# Altium PCB EE209_Prototype.PcbDoc
Units mm, origin at the board's own origin, x right, y up, seen from the top; angles counter-clockwise.
Board outline 81.53 x 76.45 mm, 2 copper layers (Top Layer, Bottom Layer); 52 components, 37 nets, 182 pads, 12 vias.
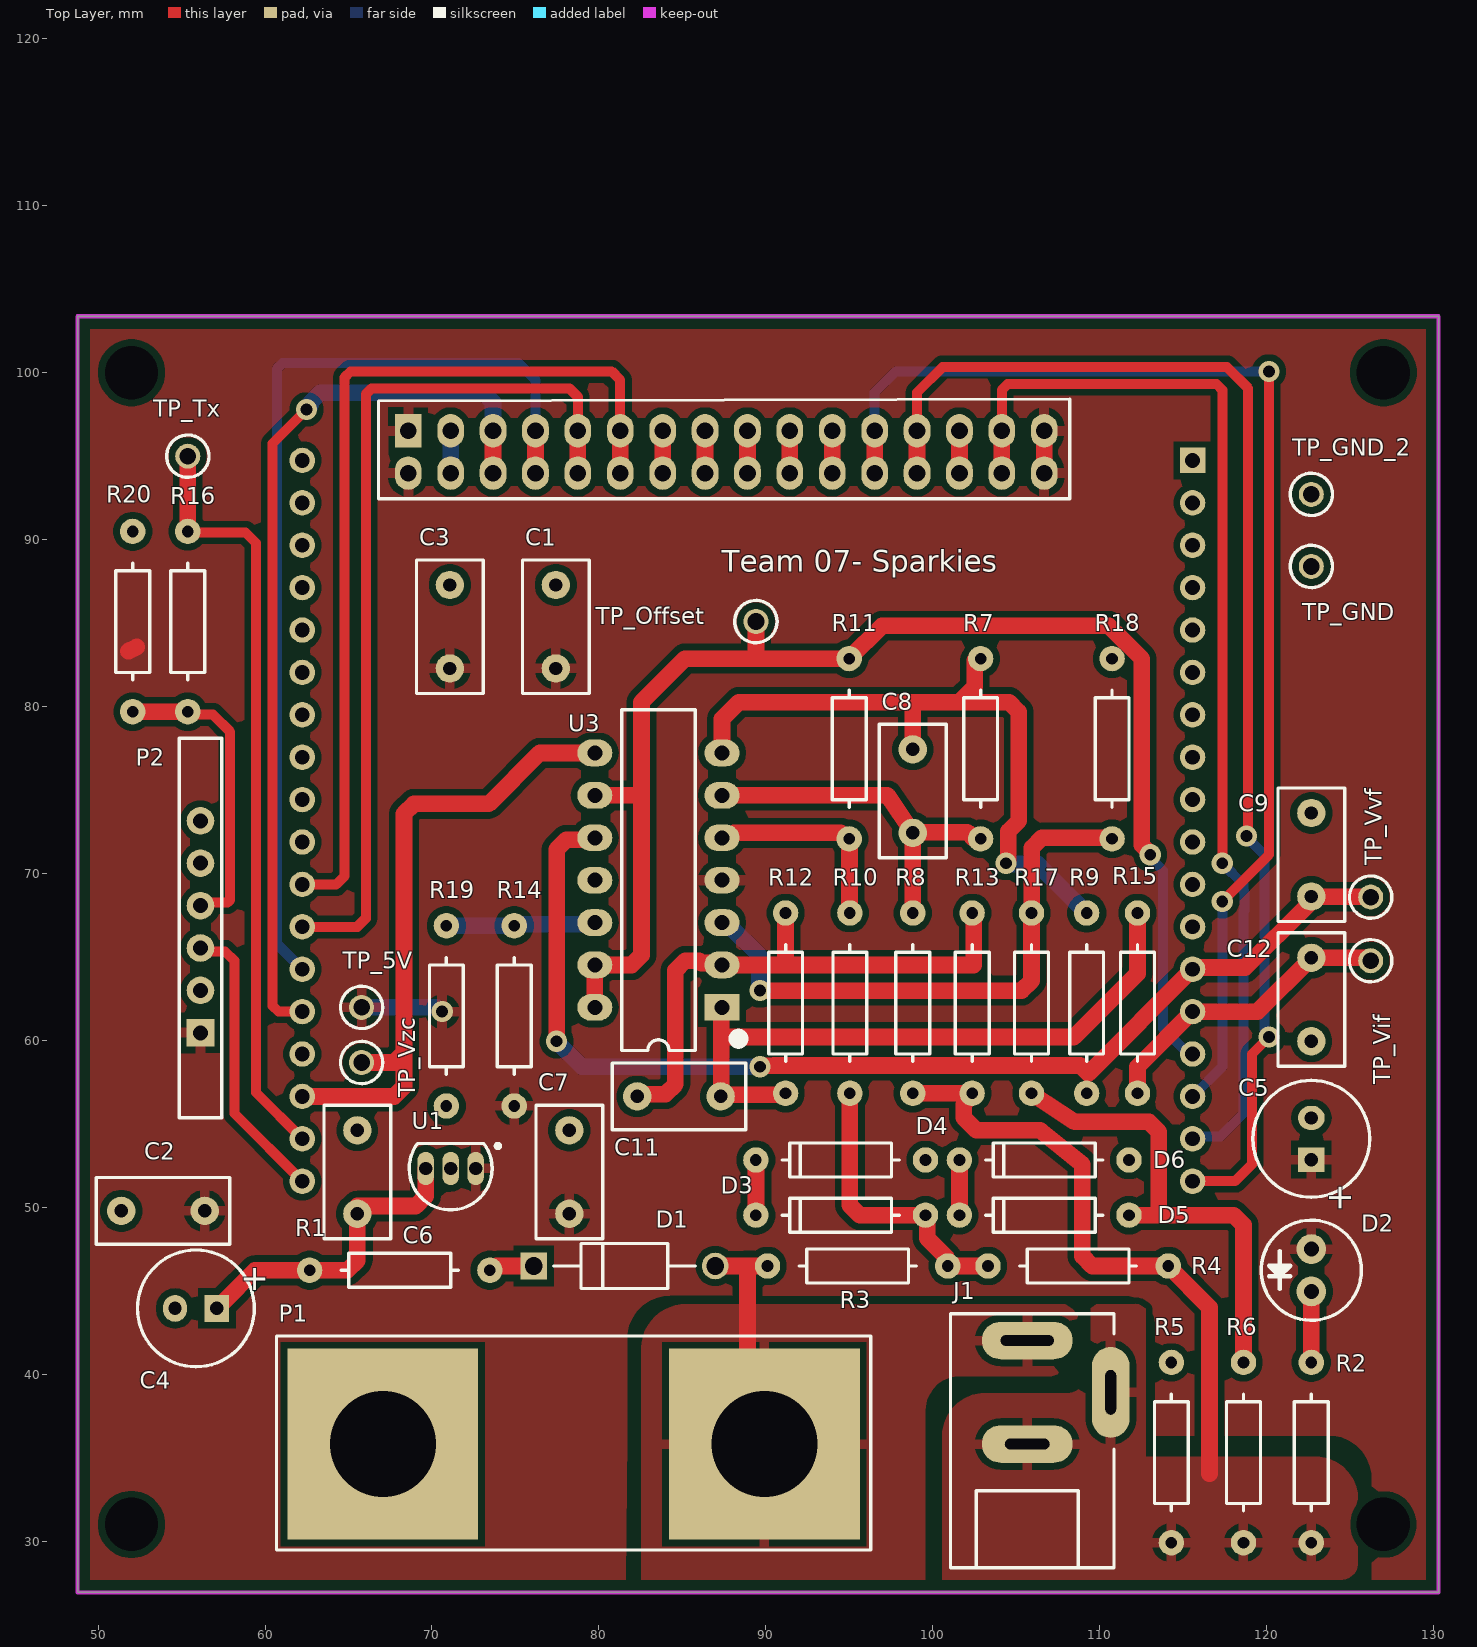
[diagram p0: Top Layer view]
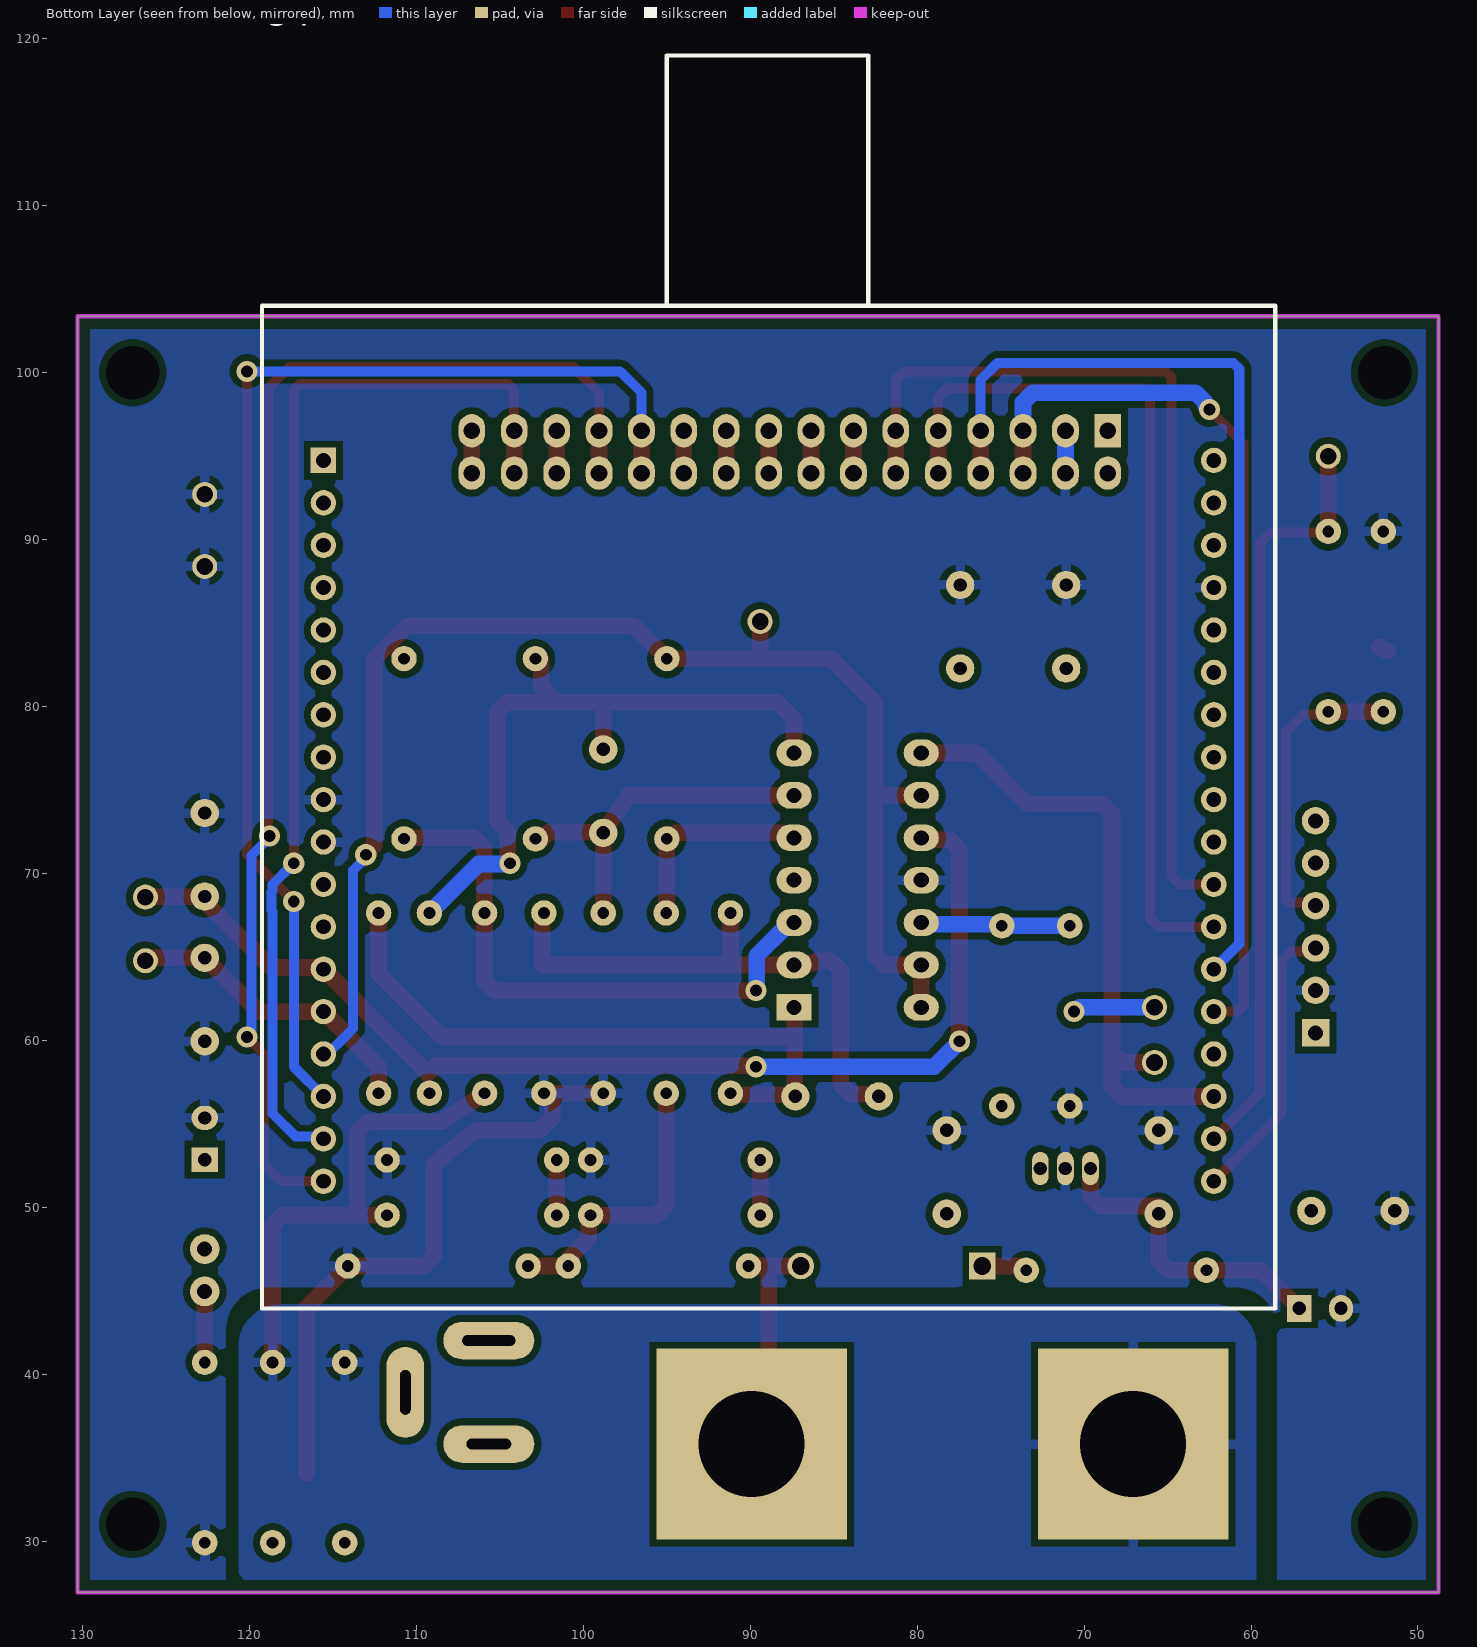
[diagram p1: Bottom Layer view, seen from below]

## Layer stack, top to bottom
Top Solder: solder mask 0.0102, Solder Resist, Dk 3.5
Top Layer: signal copper 0.0356
Dielectric 1: dielectric 0.32, FR-4, Dk 4.8
Bottom Layer: signal copper 0.0356
Bottom Solder: solder mask 0.0102, Solder Resist, Dk 3.5

## Board outline
48.768,26.924 48.768,103.378 130.302,103.378 130.302,26.924

## Design rules (kind name [scope] priority, off if disabled: settings)
Clearance [All] p1: gap=0.4 ignorepadtopadclearanceinfootprint=FALSE
Height [All] p1: minheight=0 maxheight=100 prefheight=1
HoleSize [All] p1: absolutevalues=TRUE maxlimit=10 minlimit=0.4 maxpercent=80.000 minpercent=20.000
PolygonConnect [All] p1: connectstyle=Relief reliefconductorwidth=0.6 reliefentries=4 polygonreliefangle="90 Angle" airgapwidth=0.4
RoutingVias [All] p1: holewidth=0.711 width=1.27 viastyle="Through Hole" minholewidth=0.711 minwidth=1.27 maxholewidth=0.711 maxwidth=1.27
SilkToSilkClearance [All] p1: silktosilkclearance=0.1
SilkToSolderMaskClearance [IsPad] p1: minsilkscreentomaskgap=0.1 clearancetoexposedcopper=TRUE
SolderMaskExpansion [All] p1: expansion=0.102 istentingtop=FALSE
SupplyNets "Schematic Supply Nets_30" [InNet('Vrect')] p1: voltage=0.000
SupplyNets "Schematic Supply Nets_9" [InNet('Vzc')] p2: voltage=0.000
SupplyNets "Schematic Supply Nets_3" [InNet('Vin')] p3: voltage=0.000
SupplyNets "Schematic Supply Nets_29" [InNet('SRCLR')] p4: voltage=0.000
SupplyNets "Schematic Supply Nets_28" [InNet('SH_DS')] p5: voltage=0.000
SupplyNets "Schematic Supply Nets_27" [InNet('OE')] p6: voltage=0.000
SupplyNets "Schematic Supply Nets_26" [InNet('DS1')] p7: voltage=0.000
SupplyNets "Schematic Supply Nets_25" [InNet('LED1')] p8: voltage=0.000
SupplyNets "Schematic Supply Nets_24" [InNet('SH_ST')] p9: voltage=0.000
SupplyNets "Schematic Supply Nets_23" [InNet('RX')] p10: voltage=0.000
SupplyNets "Schematic Supply Nets_22" [InNet('SH_CP')] p11: voltage=0.000
SupplyNets "Schematic Supply Nets_21" [InNet('DS2')] p12: voltage=0.000
SupplyNets "Schematic Supply Nets_20" [InNet('LED4')] p13: voltage=0.000
SupplyNets "Schematic Supply Nets_19" [InNet('LED3')] p14: voltage=0.000
SupplyNets "Schematic Supply Nets_18" [InNet('TX')] p15: voltage=0.000
SupplyNets "Schematic Supply Nets_17" [InNet('LED2')] p16: voltage=0.000
SupplyNets "Schematic Supply Nets_16" [InNet('DS4')] p17: voltage=0.000
SupplyNets "Schematic Supply Nets_15" [InNet('DS3')] p18: voltage=0.000
SupplyNets "Schematic Supply Nets_13" [InNet('Vsensp')] p19: voltage=0.000
SupplyNets "Schematic Supply Nets_11" [InNet('GND')] p20: voltage=0.000
SupplyNets "Schematic Supply Nets_10" [InNet('Offset')] p21: voltage=0.000
SupplyNets "Schematic Supply Nets_7" [InNet('Imeas')] p22: voltage=0.000
SupplyNets "Schematic Supply Nets_5" [InNet('Vmeas')] p23: voltage=0.000
SupplyNets "Schematic Supply Nets_1" [InNet('Isensp')] p24: voltage=0.000
SupplyNets "Schematic Supply Nets" [InNet('5V')] p25: voltage=0.000
Width [All] p1: maxlimit=10 minlimit=0.4 preferedwidth=0.4
26 further rules are at their usual default settings.

## Classes and differential pairs
component class EE209_Schematic: C1 C2 C3 C4 C5 C6 C7 C8 C9 C11 C12 D1 D2 D3 D4 D5 D6 J1 P1 P2 R1 R2 R3 R4 R5 R6 R7 R8 R9 R10 R11 R12 R13 R14 R15 R16 R17 R18 R19 R20

## Components (designator, comment, footprint, x,y, rotation, side; value= is the part's Value field where it differs from the comment)
C1 "100n" CCAP-5P0 77.424,84.78 r90 top
C2 "100n" CCAP-5P0 53.888,49.784 r180 top
C3 "100n" CCAP-5P0 71.074,84.78 r90 top
C4 "100µ" "CAP-RAD-2.5mm Pitch" 55.86,43.942 r180 top
C5 "*100µ" "CAP-RAD-2.5mm Pitch" 122.682,54.102 r90 top
C6 "47µ" CCAP-5P0 65.532,52.11 r90 top
C7 "*10µ" CCAP-5P0 78.232,52.11 r90 top
C8 "*" CCAP-5P0 98.806,74.93 r270 top
C9 "10n" CCAP-5P0 122.682,71.12 r90 top
C11 "*" CCAP-5P0 84.796,56.642 r180 top
C12 "10n" CCAP-5P0 122.682,62.444 r270 top
D1 "1N4007" 1N4007-MFG 81.534,46.482 r0 top
D2 "Green" LED 122.682,46.228 r270 top
D3 "BZX79-CXVX" AXIAL-Zener-0.4 94.488,49.53 r180 top
D4 "BZX79-CXVX" AXIAL-Zener-0.4 94.488,52.832 r180 top
D5 "BZX79-CXVX" AXIAL-Zener-0.4 106.68,49.53 r180 top
D6 "BZX79-CXVX" AXIAL-Zener-0.4 106.68,52.832 r180 top
J1 "DC barrel jack" AC-Socket 105.664,36.014 r90 top value=socket
P1 "Dual Banana Plugs" "Dual Banana Plug" 78.486,35.814 r180 top
P2 "BLE Module Header" HM10_HDR1X6 56.134,60.452 r90 top
R1 "33" AXIAL-0.4 68.072,46.228 r180 top
R2 "150" AXIAL-0.4 122.682,35.306 r90 top
R3 "470k" AXIAL-0.4 95.504,46.482 r180 top
R4 "22k" AXIAL-0.4 108.712,46.482 r180 top
R5 "1" AXIAL-0.4 114.3,35.306 r90 top
R6 "1" AXIAL-0.4 118.618,35.306 r90 top
R7 "100k" AXIAL-0.4 102.87,77.47 r270 top
R8 "100k" AXIAL-0.4 98.806,62.23 r90 top
R9 "1.5k" AXIAL-0.4 109.22,62.23 r270 top
R10 "79k" AXIAL-0.4 95.038,62.23 r90 top
R11 "100k" AXIAL-0.4 94.996,77.47 r270 top
R12 "47k" AXIAL-0.4 91.186,62.23 r270 top
R13 "20k" AXIAL-0.4 102.362,62.23 r90 top
R14 "470k" AXIAL-0.4 74.93,61.468 r270 top
R15 "1.5k" AXIAL-0.4 112.268,62.23 r90 top
R16 "42" AXIAL-0.4 55.372,85.09 r270 top
R17 "20k" AXIAL-0.4 105.918,62.23 r90 top
R18 "47k" AXIAL-0.4 110.744,77.47 r270 top
R19 "340k" AXIAL-0.4 70.866,61.468 r90 top
R20 "22" AXIAL-0.4 52.07,85.09 r270 top
TP_5V "5003" TP_TH 65.786,61.976 r90 top
TP_GND "5003" TP_TH 122.682,88.392 r90 top
TP_GND_2 "5003" TP_TH 122.682,92.71 r90 top
TP_Offset "5003" TP_TH 89.408,85.09 r90 top
TP_Tx "5003" TP_TH 55.372,94.996 r90 top
TP_Vif "5003" TP_TH 126.238,64.77 r90 top
TP_Vvf "5003" TP_TH 126.238,68.58 r90 top
TP_Vzc "5003" TP_TH 65.786,58.674 r90 top
U1 "L78L05ACZ" TO-92 71.12,52.324 r90 top
U3 "LM324" DIP-14 83.566,69.596 r180 top
U4 "ATmega328PB Xplained Mini Header" "ATmeg328P Xplained" 88.9,73.152 r180 bottom locked
? "Display" Display 86.36,95.25 r180 top

## Footprints (in the part's own frame and the unit in brackets; to place one, negate y for a bottom-side part, rotate by r counter-clockwise, add the part's x,y. Pads: shape width x height; smd on the part's side, far side on the other; paste and mask are expansions set on the pad)
1N4007-MFG [mm]
  round 1.6 hole 1.05 paste-2539.97 mask+0: 1(5.438,0)
  rect 1.6x1.6 hole 1.05 paste-2539.97 mask+0: 2(-5.438,0)
  silkscreen extent -4.24,-1.35 4.24,1.35, body extent -6.34,-1.45 6.34,1.45, height 0.25
AC-Socket [mm]
  oval 2.25x5.45 hole 0.635 slot 3.175 at 90 deg: 1(6,0)
  oval 5.45x2.25 hole 0.635 slot 2.667 at 0 deg: 2(2.9,-5)
  oval 2.25x5.45 hole 0.635 slot 2.667 at 90 deg: 3(-0.2,0)
  silkscreen extent -7.6,-5.2 7.6,4.6, body extent -6.7,-5 6,4.2, height 10.5
"ATmeg328P Xplained" [mil]
  rect 60x60 hole 35: 1(-1050,850)
  round 60 hole 35: 2(-1050,750) 3(-1050,650) 4(-1050,550) 5(-1050,450) 6(-1050,350) 7(-1050,250) 8(-1050,150) 9(-1050,50) 10(-1050,-50) 11(-1050,-150) 12(-1050,-250) 13(-1050,-350) 14(-1050,-450) 15(-1050,-550) 16(-1050,-650) 17(-1050,-750) 18(-1050,-850) 19(1050,-850) 20(1050,-750) 21(1050,-650) 22(1050,-550) 23(1050,-450) 24(1050,-350) 25(1050,-250) 26(1050,-150) 27(1050,-50) 28(1050,50) 29(1050,150) 30(1050,250) 31(1050,350) 32(1050,450) 33(1050,550) 34(1050,650) 35(1050,750) 36(1050,850)
  silkscreen extent -1195,-1150 1195,1805, body extent -1201,-1150 1161,1845, height 452
AXIAL-0.4 [mm]
  round 1.524 hole 0.7: 1(-5.4,0) 2(5.4,0)
  silkscreen extent -3.5,-1.02 3.5,1.02, body extent -5.7,-1.3 5.7,1.3, height 2.7
AXIAL-Zener-0.4 [mil]
  round 60 hole 27.56: 1(-200,0) 2(200,0)
  silkscreen extent -138,-40 138,40, body extent -211,-52 211,52, height 92
"CAP-RAD-2.5mm Pitch" [mm] "Cap 6.3 X 11.2"
  rect 1.45x1.6 hole 0.8: 1(-1.25,0)
  oval 1.45x1.6 hole 0.8: 2(1.25,0)
  silkscreen extent -3.5,-3.5 3.5,3.5, body extent -3.15,-3.15 3.15,3.15, height 11.5
CCAP-5P0 [mm]
  round 1.7 hole 0.8: 1(-2.5,0) 2(2.5,0)
  silkscreen extent -4,-2 4,2, body extent -3.25,-1.5 3.25,1.5, height 6.5
DIP-14 [mm] "DIP; 14 Leads; Row Spacing 7.62 mm; Pitch 2.54 mm"
  rect 2.1x1.6 hole 0.9: 1(-3.81,7.62)
  oval 2.1x1.6 hole 0.9: 2(-3.81,5.08) 3(-3.81,2.54) 4(-3.81,0) 5(-3.81,-2.54) 6(-3.81,-5.08) 7(-3.81,-7.62) 8(3.81,-7.62) 9(3.81,-5.08) 10(3.81,-2.54) 11(3.81,0) 12(3.81,2.54) 13(3.81,5.08) 14(3.81,7.62)
  silkscreen extent -5.1,-10.2 2.2,10.2, body extent -5.07,-10.2 5.09,10.12, height 9.47
Display [mm]
  rect 1.6x2 hole 1: 1(17.78,-1.27)
  oval 1.6x2 hole 1: 2(17.78,1.27) 3(15.24,-1.27) 4(15.24,1.27) 5(12.7,-1.27) 6(12.7,1.27) 7(10.16,-1.27) 8(10.16,1.27) 9(7.62,-1.27) 10(7.62,1.27) 11(5.08,-1.27) 12(5.08,1.27) 13(2.54,-1.27) 14(2.54,1.27) 15(0,-1.27) 16(0,1.27) 17(-2.54,-1.27) 18(-2.54,1.27) 19(-5.08,-1.27) 20(-5.08,1.27) 21(-7.62,-1.27) 22(-7.62,1.27) 23(-10.16,-1.27) 24(-10.16,1.27) 25(-12.7,-1.27) 26(-12.7,1.27) 27(-15.24,-1.27) 28(-15.24,1.27) 29(-17.78,-1.27) 30(-17.78,1.27) 31(-20.32,-1.27) 32(-20.32,1.27)
  silkscreen extent -21.84,-3.18 19.56,2.79, body extent -32.6,-50 26.4,4, height 13
"Dual Banana Plug" [mm] "Connector; 2 Position"
  rect 11.43x11.43 hole 6.35: 1(-11.43,0) 2(11.43,0)
  silkscreen extent -17.8,-6.48 17.8,6.35, body extent -17.38,-5.99 17.43,5.99, height 5.5
HM10_HDR1X6 [mil] "Connector; Header; 6 Position"
  rect 65x65 hole 35.43: 1(0,0)
  round 65 hole 35.43: 2(100,0) 3(200,0) 4(300,0) 5(400,0) 6(500,0)
  silkscreen extent -200,-50 695,50, body extent -142,-39 571,228, height 1843
LED [mil]
  round 70 hole 35.43: 1(-50,0) 2(50,0)
  silkscreen extent -118,-118 118,118, body extent -98,-98 98,98, height 413
TO-92 [mm] "TO, Flat Index; 3 In-Line, Axial Leads; Body Dia. 4.5mm; Leads 0.51 x 0.48 mm (max)"
  oval 2x1 hole 0.8: 1(0,-1.5) 2(0,0) 3(0,1.5)
  silkscreen extent -2.48,-2.96 1.5,2.48, body extent -2.4,-2.4 1.53,2.4, height 6.73
TP_TH [mm] "Test Point, Through Hole, Dia 2.54mm"
  round 1.5 hole 1: 1(0,0)
  silkscreen extent -1.27,-1.27 1.27,1.27, body extent -1.27,-1.27 1.27,1.27, height 4.57

## Part data
C1 C2 C3 C6 C7 C8 C9 C11 C12: library part CerCap_TH_5P0, "TH ceramic capacitor with 5mm pitch"
C4 C5: library part ElecCap_TH_2P0, "Electrolytic capacitor with radial package, 2mm pitch and 5.2mm diameter", LatestRevisionDate=17-Jul-2002, LatestRevisionNote="Re-released for DXP Platform.", PackageDescription="Polarized Capacitor; 2 Leads", PackageReference=POLAR0.8, Published=8-Jun-2000, Publisher="Altium Limited"
D1: library part 1N4007_TH_4AX0, "1N4007 1000V standard axial diode", Supplier Part Number 1=1N4007RLGOSCT-ND, ComponentLink1Description=https://www.fairchildsemi.com/datasheets/1N/1N914.pdf, ComponentLink1URL=https://www.fairchildsemi.com/datasheets/1N/1N914.pdf, Supplier 1=Digi-Key
D2: library part LED_TH_2P54, "Typical throughole GaAs LED with 2.54mm pitch", Manufacturer="Generic Components", Class I=Optoelectronic, Class II=LED, Published=8-Jun-2000, Publisher="Altium Limited", Revision="July-2002: Re-released for DXP Platform."
D3 D4 D5 D6: library part Zener_TH_4AX0, "Axial zener diode BZX79 series", Manufacturer="Nexperia USA Inc.", Manufacturer Part Number=BZX79-C4V7,143, Operating Temperature="-65°C ~ 200°C", Package / Case="DO-204AH, DO-35, Axial", Supplier Device Package=DO-35, Supplier Part Number 1=1727-1864-1-ND, Tolerance=±5%, Category="Discrete Semiconductor Products", ComponentLink1Description=https://assets.nexperia.com/documents/data-sheet/BZX79.pdf, ComponentLink1URL=https://assets.nexperia.com/documents/data-sheet/BZX79.pdf, Mounting Type="Through Hole", Packaging="Cut Tape (CT)", Part Status=Active, Pricing 1="1=0.23, 10=0.206, 100=0.1123, 500=0.06912, 1000=0.04714 (NZD)", RoHS="RoHS Compliant", Stock 1=8933, Supplier 1=Digi-Key
J1: library part AC_Input, "DC barrel jack connection to AC source"
P1: library part AC_Output, "Dual banana plugs connection to the AC load", LatestRevisionDate=17-Jul-2002, LatestRevisionNote="Re-released for DXP Platform.", Publisher="Altium Limited"
P2: library part BLEModule_TH, "2.54mm pitch 6-pin header for BLE module", LatestRevisionDate=17-Jul-2002, LatestRevisionNote="Re-released for DXP Platform.", Publisher="Altium Limited"
R1 R2 R3 R4 R5 R6 R7 R8 R9 R10 R11 R12 R13 R14 R15 R16 R17 R18 R19 R20: library part Res_TH_0AX4, "Through hole resistor", ComponentLink1Description=http://www.royalohm.com/pdf/product2017/PrecisionMetalMF.pdf, LatestRevisionDate=17-Jul-2002, LatestRevisionNote="Re-released for DXP Platform.", PackageReference=AXIAL-0.4, Published=8-Jun-2000, Publisher="Altium Limited"
TP_5V TP_GND TP_GND_2 TP_Offset TP_Tx TP_Vif TP_Vvf TP_Vzc: library part TestPoint, "Test Point, Orange, 1-Pin THD, RoHS", Forward Current="3 A", Forward Voltage="1.08 V", Max Operating Temperature="150 degC", Max Surge Current="80 A", Min Operating Temperature="-65 degC", Package Quantity=500, Peak Reverse Current="600 uA", ComponentLink1Description="Manufacturer URL", ComponentLink1URL=http://www.keyelco.com/, ComponentLink2Description=Datasheet, ComponentLink2URL=http://keyelco.com/userAssets/file/M65p56.pdf, DatasheetVersion=Jun-15, Diameter="5.3 mm", Height="0.25 inch", Length="9.5 mm", Mount="Through Hole", PackageDescription="1-Pin Through Hole Device, Dia 2.54 mm", PackageReference=5003, Packaging=Bulk, Pins=2, Radiation Hardening=No, REACH SVHC="No SVHC", RoHSCompliant=true, Weight="0.01 lb", Width="0.25 inch"
U1: library part L78L05_TH_TO92, "Voltage Regulator 5V", Base Part Number=LM78L05, Current - Output=100mA, Manufacturer="ON Semiconductor", Manufacturer Part Number=LM78L05ACZX, Operating Temperature="-40°C ~ 125°C", Package / Case="TO-226-3, TO-92-3 (TO-226AA) (Formed Leads)", Supplier Device Package=TO-92-3, Supplier Part Number 1=LM78L05ACZXCT-ND, Voltage - Input (Max)=30V, Voltage - Output (Max)=-, Voltage - Output (Min/Fixed)=5V, Category="Integrated Circuits (ICs)", ComponentLink1Description=https://www.fairchildsemi.com/datasheets/MC/MC78L05A.pdf, ComponentLink1URL=https://www.fairchildsemi.com/datasheets/MC/MC78L05A.pdf, Control Features=-, Mounting Type="Through Hole", Output Configuration=Positive, Output Type=Fixed, Packaging="Cut Tape (CT)", Part Status=Active, Pricing 1="1=0.69, 10=0.517, 100=0.3226, 500=0.2207, 1000=0.16976 (NZD)", Protection Features="Over Temperature, Short Circuit", PSRR="80dB (120Hz)", RoHS="RoHS Compliant", Stock 1=7782, Supplier 1=Digi-Key, Voltage Dropout (Max)=-
U3: library part LM324N_TH_DIP16, "IC OPAMP GP 14DIP", Current - Supply=1mA, Manufacturer="ON Semiconductor", Manufacturer Part Number=LM324N, Operating Temperature="0°C ~ 70°C", Package / Case="14-DIP (0.300\", 7.62mm)", Supplier Device Package=14-DIP, Supplier Part Number 1=LM324NFS-ND, Voltage - Supply, Single/Dual (±)="3 V ~ 32 V, ±1.5 V ~ 16 V", Amplifier Type="General Purpose", Base Part Number=LM324, Category="Integrated Circuits (ICs)", ComponentLink1Description=https://www.fairchildsemi.com/datasheets/LM/LM2902.pdf, ComponentLink1URL=https://www.fairchildsemi.com/datasheets/LM/LM2902.pdf, Mounting Type="Through Hole", Output Type=-, Packaging=Tube, Part Status=Active, Pricing 1="1=0.9, 10=0.775, 100=0.5789, 500=0.45482, 1000=0.35145 (NZD)", RoHS="RoHS Compliant", Slew Rate=-, Stock 1=2900, Supplier 1=Digi-Key
U4: library part ATmega328PBXplained_TH, "Dual 18-pin headers connecting to ATmega328PB Xplained Mini", Manufacturer="Microchip Technology", Manufacturer Part Number=ATMEGA328PB-XMINI, Operating System=-, Supplier Part Number 1=ATMEGA328PB-XMINI-ND, Board Type="Evaluation Platform", Category="Development Boards, Kits, Programmers", ComponentLink1Description=http://www.microchip.com/mymicrochip/filehandler.aspx?ddocname=en589665, ComponentLink1URL=http://www.microchip.com/mymicrochip/filehandler.aspx?ddocname=en589665, Contents=Board(s), Core Processor=AVR, For Use With/Related Products=ATmega328P, Mounting Type=Fixed, Part Status=Active, Platform="ATmega328P Xplained Mini", Pricing 1="1=15.11 (NZD)", RoHS="RoHS Compliant", Stock 1=454, Supplier 1=Digi-Key, Type="MCU 8-Bit"
?: "16-Pin Header Connecting Display"

## Free pads (board coordinates)
  round 1.524 hole 3.2: 3(127,100) 4(127,31) 5(52,31) 6(52,100)

## Via types
v1: diameter 1.27, hole 0.711, Top Layer to Bottom Layer, 12 vias

## Nets (pads, with @x,y where several pads share a name; then routed paths per layer and width w, separated by ;. In a path a pad name is that pad's centre, name@x,y a point inside that pad or via, vN(x,y) a via of type N, cw(c..) or ccw(c..) an arc to the next point about the centre after c; other vN are vias at no path point)
5V: ?.1 ?.2 ?.31 ?.32 C1.1 C2.1 C3.1 C5.1 C7.1 D2.1 P2.1 R14.2 TP_5V.1 U1.1 U3.4 | length 8
  Top Layer w1: 51.816,83.312 52.324,83.566 ; ?.32 ?.31
  Bottom Layer w1: TP_5V.1 70.285,61.976 70.539,61.722 v1(70.612,61.722)
DS1: ?.5 ?.6 U4.23 | length 54.7
  Top Layer w0.6: U4.23 60.803,61.722 60.452,62.073 60.452,95.758 v1(62.484,97.79)
  Top Layer w1: ?.6 ?.5
  Bottom Layer w1: v1(62.484,97.79) 62.738,98.044 62.738,98.22 63.324,98.806 73.074,98.806 73.66,98.22 ?.5
DS2: ?.7 ?.8 U4.24 | length 58.3
  Top Layer w1: ?.8 ?.7
  Bottom Layer w0.6: U4.24 60.706,65.786 60.706,100.233 61.057,100.584 74.676,100.584 74.681,100.589 75.179,100.589 76.2,99.568 ?.7
DS3: ?.9 ?.10 U4.25 | length 53.1
  Top Layer w0.6: U4.25 65.532,66.802 66.04,67.31 66.04,98.709 66.391,99.06 77.724,99.06 77.729,99.065 78.227,99.065 78.74,98.552 ?.9
  Top Layer w1: ?.10 ?.9
DS4: ?.11 ?.12 U4.26 | length 55.1
  Top Layer w0.6: U4.26 64.262,69.342 64.77,69.85 64.77,99.725 65.121,100.076 80.264,100.076 80.269,100.081 80.767,100.081 81.28,99.568 ?.11
  Top Layer w1: ?.12 ?.11
GND: ?.3 ?.4 C1.2 C2.2 C3.2 C4.2 C5.2 C6.2 C7.2 C9.2 C12.2 D4.1 D6.1 J1.2 J1.3 P2.2 R2.1 R4.1 R5.1 R6.1 R8.1 R13.1 R19.1 R20.1 TP_GND.1 TP_GND_2.1 U1.2 U3.11 U4.9 U4.10 U4.33 | length 40.3
  Top Layer w1: R8.1 R13.1 102.362,56.688 101.854,56.18 101.854,55.372 102.616,54.61 106.442,54.61 108.966,52.578 108.966,47.068 109.552,46.482 R4.1 116.586,44.008 116.586,34.036
  Bottom Layer w1: ?.4 ?.3
Imeas: C12.1 R15.1 TP_Vif.1 U4.14 | length 18.3
  Top Layer w1: R15.1 112.268,58.42 U4.14 119.46,61.722 C12.1 125.929,64.944 126.103,64.77 TP_Vif.1
Isensp: D5.1 P1.2 R5.2 R6.2 R17.1 | length 28.9
  Top Layer w1: R17.1@106.06,56.83 R17.1 108.516,55.118 112.952,55.118 113.538,54.532 113.538,49.53 ; D5.1 113.538,49.53 ; R6.2 118.618,48.944 118.032,49.53 113.538,49.53
LED1: ?.13 ?.14 | length 2.5
  Top Layer w1: ?.14 ?.13
LED2: ?.15 ?.16 | length 2.5
  Top Layer w1: ?.16 ?.15
LED3: ?.17 ?.18 | length 2.5
  Top Layer w1: ?.18 ?.17
LED4: ?.19 ?.20 | length 2.5
  Top Layer w1: ?.20 ?.19
NetC8_1: C8.1 R7.1 R9.1 U3.7 | length 41.9
  Top Layer w1: U3.7 87.376,79.248 88.392,80.264 99.06,80.264 ; C8.1@98.806,77.47 98.806,80.01 99.06,80.264 ; R7.1@102.616,82.87 102.516,82.77 102.516,81.18 101.6,80.264 ; v1@104.446,70.664 v1(104.394,70.612) ccw(c104.061,70.945) 104.532,70.945 104.532,72.528 105.156,73.152 105.156,79.678 104.57,80.264 101.6,80.264 ; 99.06,80.264 101.6,80.264
  Bottom Layer w1: v1(104.394,70.612) 104.446,70.56 106.29,70.56 R9.1
NetC8_2: C8.2 R7.2 R8.2 U3.6 | length 21.8
  Top Layer w1: U3.6 97.282,74.676 C8.2 ; C8.2@98.806,72.659 C8.2@98.806,72.47 ; R8.2@98.906,67.73 R8.2 C8.2 ; R7.2@102.616,72.07 102.474,72.07 102.074,72.47 C8.2@98.806,72.47 ; C8.2 C8.2@98.806,72.47
NetC11_1: C11.1 R12.2 R15.2 U3.1 | length 39.5
  Top Layer w1: C11.1 C11.1@87.336,56.682 ; U3.1 87.336,61.936 87.336,59.944 ; R12.2 91.092,56.736 87.39,56.736 C11.1@87.336,56.682 ; R15.2 112.268,64.008 108.458,60.198 89.408,60.198 87.59,60.198 87.336,59.944 ; C11.1@87.336,56.682 87.336,59.944
NetC11_2: C11.2 R12.1 R13.2 U3.2 | length 33.9
  Top Layer w1: C11.2 82.43,56.776 83.996,56.776 84.582,57.362 84.582,64.184 85.168,64.77 85.996,64.77 86.135,64.631 87.261,64.631 U3.2 91.186,64.516 ; R12.1 91.186,64.516 ; R13.2 102.462,67.53 102.462,64.516 91.186,64.516
NetD1_2: D1.2 R1.1 | length 2.7
  Top Layer w1: R1.1 73.614,46.228 73.868,46.482 D1.2
NetD2_2: D2.2 R2.2 | length 4.3
  Top Layer w1: R2.2 D2.2
NetD3_2: D3.2 D4.2 | length 3.3
  Top Layer w1: D3.2 D4.2
NetD5_2: D5.2 D6.2 | length 3.3
  Top Layer w1: D5.2 D6.2
NetP2_4: P2.4 R16.2 R20.2 | length 18.3
  Top Layer w0.6: R16.2 55.549,79.513 56.885,79.513 57.912,78.486 57.912,68.423 57.762,68.273 56.335,68.273 P2.4
  Top Layer w1: R20.2 R16.2
NetR10_2: R10.2 R11.2 U3.5 | length 11.7
  Top Layer w1: U3.5 87.788,72.136 88.082,72.43 91.186,72.43 R11.2@94.494,72.43 ; R11.2 95.017,72.049 95.017,67.651 R10.2
NetR14_1: R14.1 R19.2 U3.12 | length 9
  Bottom Layer w1: R19.2 R14.1 75.024,66.962 79.662,66.962 U3.12
NetR17_2: R17.2 R18.2 U3.3 | length 34.9
  Top Layer w1: v1(89.662,62.981) 105.332,62.981 105.918,63.567 105.918,67.861 105.929,67.872 105.929,69.892 105.932,69.895 105.932,71.533 106.546,72.147 110.559,72.147 cw(c110.559,71.885) R18.2 R18.2@110.602,72.07
  Bottom Layer w1: U3.3 87.572,66.86 87.822,66.86 89.61,65.072 89.61,63.033 v1(89.662,62.981)
OE: ?.27 ?.28 | length 2.5
  Top Layer w1: ?.28 ?.27
Offset: R11.1 R18.1 TP_Offset.1 U3.9 U3.13 U3.14 U4.15 | length 83.5
  Top Layer w1: U3.14 U3.13 81.964,64.516 82.55,65.102 82.55,74.676 ; U3.9 82.55,74.676 ; TP_Offset.1 89.408,82.87 ; v1(113.03,71.12) 113.03,71.193 112.522,71.701 112.522,82.87 110.556,84.836 96.962,84.836 R11.1 89.408,82.87 ; 82.55,74.676 82.55,80.264 85.156,82.87 89.408,82.87
  Bottom Layer w0.6: v1(113.03,71.12) 113.03,70.939 113.792,70.177 113.792,60.706 114.291,60.207 114.295,60.207 115.32,59.182 U4.15
RX: P2.3 U4.19 | length 17.2
  Top Layer w0.6: P2.3 56.335,65.331 57.605,65.331 58.166,64.77 58.166,55.626 U4.19
SH_CP: ?.23 ?.24 U4.16 | length 74.3
  Top Layer w0.6: v1(117.348,68.326) 120.142,71.12 v1(120.142,100.076)
  Top Layer w1: ?.24 ?.23
  Bottom Layer w0.6: ?.23 96.52,98.806 97.79,100.076 v1(120.142,100.076) ; U4.16 117.348,58.42 v1(117.348,68.326)
SH_DS: ?.29 ?.30 U4.17 | length 66.1
  Top Layer w0.6: ?.29 104.14,98.963 104.491,99.314 116.997,99.314 117.348,98.963 v1(117.348,70.612)
  Top Layer w1: ?.30 ?.29
  Bottom Layer w0.6: U4.17 115.708,54.24 117.232,54.24 118.618,55.626 118.618,67.708 118.683,67.773 118.683,68.879 118.618,68.944 118.618,69.342 v1(117.348,70.612)
SH_ST: ?.25 ?.26 U4.18 | length 77.3
  Top Layer w0.6: ?.25 99.06,98.806 100.584,100.33 117.63,100.33 118.899,99.061 118.899,72.341 v1(118.807,72.249) ; U4.18 118.11,51.562 119.126,52.578 119.126,59.182 v1(120.142,60.198)
  Top Layer w1: ?.26 ?.25
  Bottom Layer w0.6: v1(118.807,72.249) 118.807,72.16 119.888,71.079 119.888,60.633 120.142,60.379 v1(120.142,60.198)
SRCLR: ?.21 ?.22 | length 2.5
  Top Layer w1: ?.22 ?.21
TX: R16.1 TP_Tx.1 U4.20 | length 45.7
  Top Layer w0.6: R16.1 55.438,90.424 58.831,90.424 59.452,89.803 59.452,56.88 U4.20
  Top Layer w1: R16.1 TP_Tx.1
Vin: D1.1 J1.1 P1.1 R3.2 | length 14.5
  Top Layer w1: D1.1 88.646,46.482 ; P1.1 cw(c89.916,36.83) 88.9,36.83 88.9,46.228 ccw(c88.646,46.228) 88.646,46.482 ; R3.2 88.9,46.482 88.646,46.482
Vmeas: C9.1 R9.2 TP_Vvf.1 U3.10 U4.13 | length 68.2
  Top Layer w1: v1(77.47,59.944) 77.47,71.435 78.056,72.021 79.641,72.021 U3.10 ; v1(89.662,58.42) 89.714,58.472 90.477,58.472 90.498,58.492 108.841,58.492 109.32,58.012 U4.13 115.67,64.362 118.718,64.362 122.474,68.118 ccw(c121.972,68.62) C9.1 122.702,68.6 126.218,68.6 TP_Vvf.1
  Bottom Layer w1: v1(77.47,59.944) 78.994,58.42 v1(89.662,58.42)
Vrect: C4.1 C6.1 R1.2 U1.3 | length 18.9
  Top Layer w1: C4.1 57.11,44.017 57.335,44.242 57.41,44.242 59.396,46.228 R1.2 64.946,46.228 65.532,46.814 C6.1 65.532,50.078 69.034,50.078 69.62,50.664 U1.3
Vsensp: D3.1 R3.1 R4.2 R10.1 | length 17.5
  Top Layer w1: R10.1 95.038,50.116 95.624,49.53 D3.1 99.668,49.43 99.668,48.16 100.804,47.024 100.804,46.582 R3.1 R4.2
Vzc: TP_Vzc.1 U3.8 U4.21 | length 38.4
  Top Layer w1: U4.21 67.74,56.642 68.326,57.228 68.326,59.26 ; TP_Vzc.1 67.74,58.674 68.326,59.26 ; U3.8 76.454,77.216 73.406,74.168 68.912,74.168 68.326,73.582 68.326,59.26
pads on no net: P2.5 P2.6 U4.1 U4.2 U4.3 U4.4 U4.5 U4.6 U4.7 U4.8 U4.11 U4.12 U4.22 U4.27 U4.28 U4.29 U4.30 U4.31 U4.32 U4.34 U4.35 U4.36

## Polygon pours and split planes (outlines as drawn)
5V on Top Layer "NONET_L-01_P-001" (solid, pour order 5): 126.3,27.686 129.54,27.686 129.54,102.616 49.53,102.616 49.53,27.686 81.596,27.686 81.692,36.195 81.692,42.164 cw(c84.232,42.164) 84.232,44.704 86.868,44.704 111.506,44.704 cw(c111.506,42.864) 113.346,42.864 113.346,36.322 123.76,36.322 cw(c123.76,33.782) 126.3,33.782
GND on Top Layer "NONET_L-01_P-001" (solid, pour order 4): 125.476,29.696 125.476,28.702 cw(c124.46,28.702) 124.46,27.686 100.584,27.686 100.584,36.322 cw(c103.124,36.322) 103.124,38.862 107.95,38.862 ccw(c107.95,40.386) 109.474,40.386 109.474,43.942 cw(c109.728,43.942) 109.728,44.196 112.014,44.196 cw(c112.104,43.272) 112.776,43.913 112.776,35.052 122.936,35.052 cw(c122.936,32.512) 125.476,32.512
Vin on Top Layer "NONET_L-01_P-001" (solid, pour order 2): 82.55,27.686 99.568,27.686 99.568,37.846 cw(c101.6,37.846) 101.6,39.878 106.934,39.878 ccw(c106.807,41.783) 108.712,41.91 ccw(c107.188,42.672) 107.95,44.196 85.09,44.196 ccw(c85.217,41.529) 82.55,41.402
GND on Bottom Layer "NONET_L-01_P-001" (solid, pour order 8): 121.412,27.686 129.54,27.686 129.54,102.616 49.53,102.616 49.53,27.686 58.42,27.686 58.42,42.672 cw(c60.96,42.672) 60.96,45.212 118.872,45.212 cw(c118.872,42.672) 121.412,42.672
Isensp on Bottom Layer "NONET_L-01_P-001" (solid, pour order 7): 59.69,27.686 120.65,27.686 120.65,27.94 120.65,41.656 ccw(c118.11,41.656) 118.11,44.196 62.23,44.196 ccw(c62.23,41.656) 59.69,41.656

## Keep-outs
Keep-Out Layer:
  lines w0.254: 48.768,26.924 48.768,103.378 130.302,103.378 130.302,26.924 74.676,26.924 48.768,26.924

## Silkscreen, mask and mechanical layers (free items; w line width, h text height)
Top Overlay:
  text "Team 07- Sparkies" at 87.376,88.063 h1.3
Mechanical 1:
  the board outline again, w0.254

## Text inside footprints (layer, text, board x,y; h text height)
C4: Top Overlay "+" at 60.26,46.342 h1.5 r180
C5: Top Overlay "+" at 125.082,49.702 h1.5 r90